# KiCad board audio-latency-tester-board.kicad_pcb
title: Audio latency tester board; date: 2025-04-03; rev: 1.3.2
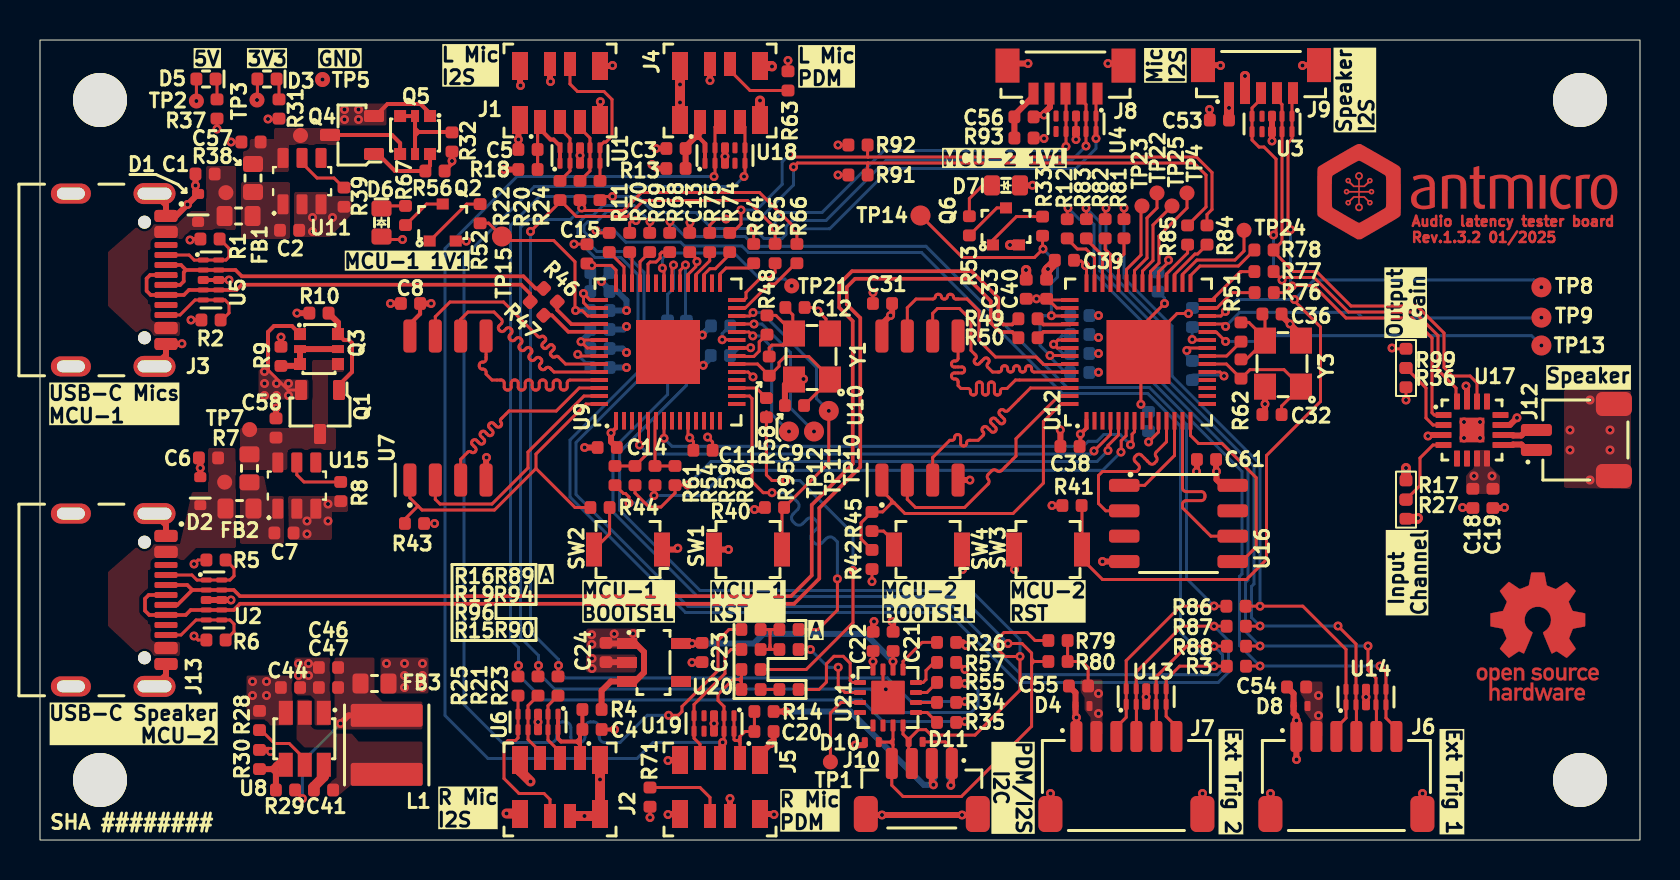
[diagram p0: board, top side]
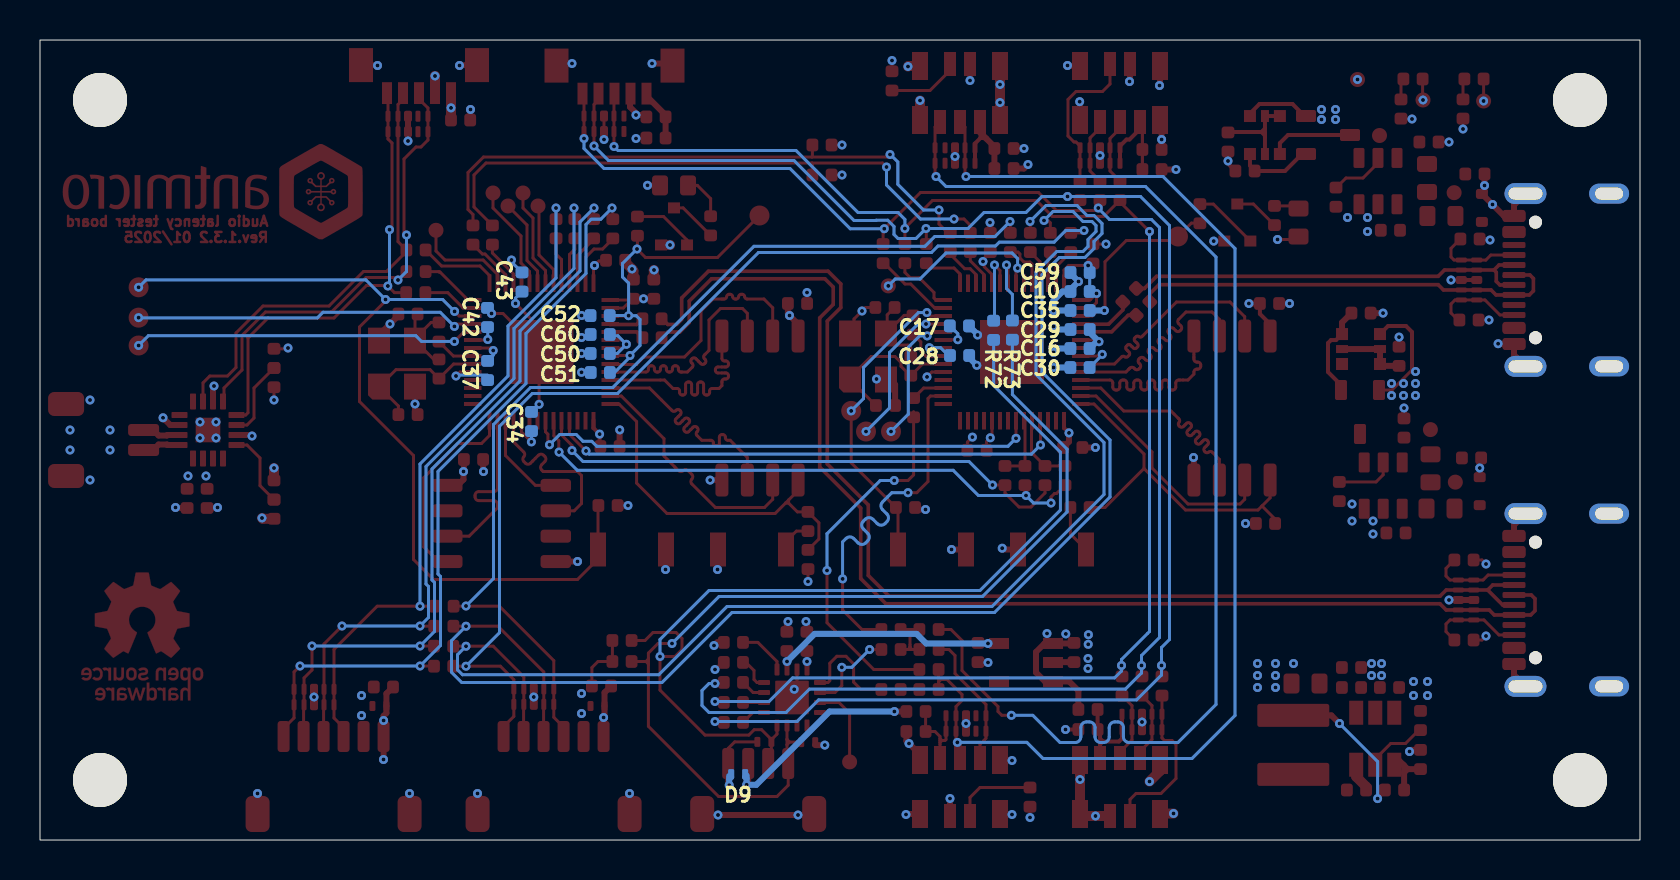
[diagram p1: board, bottom side, seen from below]

Outline 80 x 40 mm; copper layers: Top, In1.Cu, In2.Cu, Bottom. Coordinates in mm from the lower left corner of the outline.
Outline path: rectangle 0,40 80,0
Stack: Top 0.035mm / dielectric 0.12mm FR4 er 4.5 / In1.Cu 0.035mm / dielectric 1.2mm FR4 er 4.5 / In2.Cu 0.035mm / dielectric 0.12mm FR4 er 4.5 / Bottom 0.035mm

## Placement (name value [footprint] x y rotation side)
C1  C_10n_0402  [C_0402_1005Metric]  8.25 33.3 0 top
C2  C_100n_0402  [C_0402_1005Metric]  12.48 30.49 180 top
C3  C_100n_0402  [C_0402_1005Metric]  31.8 34.58 0 top
C4  C_100n_0402  [C_0402_1005Metric]  27.6 5.53 180 top
C5  C_100n_0402  [C_0402_1005Metric]  24.4 34.53 0 top
C6  C_10n_0402  [C_0402_1005Metric]  8.42 19.1 0 top
C7  C_100n_0402  [C_0402_1005Metric]  12.2 15.35 180 top
C8  C_100n_0402  [C_0402_1005Metric]  18.53 26.83 0 top
C9  C_18p_0402  [C_0402_1005Metric]  37.72 21.72 0 top
C10  C_1u_0402  [C_0402_1005Metric]  28 27.42 180 bottom
C11  C_100n_16V_X7R_0402  [C_0402_1005Metric]  33.15 19.48 180 top
C12  C_18p_0402  [C_0402_1005Metric]  37.75 26.62 180 top
C13  C_100n_16V_X7R_0402  [C_0402_1005Metric]  32.49 29.88 270 top
C14  C_100n_16V_X7R_0402  [C_0402_1005Metric]  28.36 19.62 0 top
C15  C_100n_16V_X7R_0402  [C_0402_1005Metric]  27.35 29.31 270 top
C16  C_100n_16V_X7R_0402  [C_0402_1005Metric]  28 24.58 180 bottom
C17  C_100n_16V_X7R_0402  [C_0402_1005Metric]  34.03 25.7 0 bottom
C18  C_100n_0402  [C_0402_1005Metric]  71.65 17.08 90 top
C19  C_10u_10V_0402  [C_0402_1005Metric]  72.65 17.08 90 top
C20  C_100n_0402  [C_0402_1005Metric]  36.2 5.43 180 top
C21  C_100n_16V_X7R_0402  [C_0402_1005Metric]  42.66 9.93 270 top
C22  C_100n_16V_X7R_0402  [C_0402_1005Metric]  41.66 9.93 270 top
C23  C_100n_16V_X7R_0402  [C_0402_1005Metric]  33.1 9.38 90 top
C24  C_100n_16V_X7R_0402  [C_0402_1005Metric]  28.3 9.38 90 top
C28  C_100n_16V_X7R_0402  [C_0402_1005Metric]  34.02 24.22 0 bottom
C29  C_100n_16V_X7R_0402  [C_0402_1005Metric]  28 25.53 180 bottom
C30  C_100n_16V_X7R_0402  [C_0402_1005Metric]  28 23.62 180 bottom
C31  C_100n_0402  [C_0402_1005Metric]  42.12 26.83 0 top
C32  C_18p_0402  [C_0402_1005Metric]  61.6 21.27 0 top
C33  C_1u_0402  [C_0402_1005Metric]  49.31 27.54 270 top
C34  C_100n_16V_X7R_0402  [C_0402_1005Metric]  55.43 20.92 270 bottom
C35  C_1u_0402  [C_0402_1005Metric]  28 26.47 180 bottom
C36  C_18p_0402  [C_0402_1005Metric]  61.6 26.3 180 top
C37  C_100n_16V_X7R_0402  [C_0402_1005Metric]  57.62 23.47 90 bottom
C38  C_100n_16V_X7R_0402  [C_0402_1005Metric]  51.5 19.67 0 top
C39  C_100n_16V_X7R_0402  [C_0402_1005Metric]  51.22 28.98 0 top
C40  C_100n_16V_X7R_0402  [C_0402_1005Metric]  50.33 27.54 270 top
C41  C_100n_0402  [C_0402_1005Metric]  14.17 2.5 0 top
C42  C_100n_16V_X7R_0402  [C_0402_1005Metric]  57.62 26.12 270 bottom
C43  C_100n_16V_X7R_0402  [C_0402_1005Metric]  55.9 27.9 90 bottom
C44  C_10u_10V_0402  [C_0402_1005Metric]  12.53 7.62 180 top
C46  C_22u_0402  [C_0402_1005Metric]  14.42 8.62 0 top
C47  C_22u_0402  [C_0402_1005Metric]  14.42 7.62 0 top
C50  C_100n_16V_X7R_0402  [C_0402_1005Metric]  51.99 24.33 180 bottom
C51  C_100n_16V_X7R_0402  [C_0402_1005Metric]  51.99 23.38 180 bottom
C52  C_1u_0402  [C_0402_1005Metric]  52 26.22 180 bottom
C53  C_100n_0402  [C_0402_1005Metric]  58.97 36 0 top
C54  C_100n_0402  [C_0402_1005Metric]  62.83 7.65 0 top
C55  C_100n_0402  [C_0402_1005Metric]  51.93 7.7 0 top
C56  C_100n_0402  [C_0402_1005Metric]  49.2 36.16 180 top
C57  C_10u_10V_0402  [C_0402_1005Metric]  10.55 34.9 0 top
C58  C_10u_10V_0402  [C_0402_1005Metric]  11.8 20.6 270 top
C59  C_100n_16V_X7R_0402  [C_0402_1005Metric]  28 28.38 180 bottom
C60  C_100n_16V_X7R_0402  [C_0402_1005Metric]  51.99 25.28 180 bottom
C61  C_100n_16V_X7R_0402  [C_0402_1005Metric]  58.32 19.03 0 top
D1  PESD5V0X1UB  [SOD-523]  7.9 31.61 90 top
D2  PESD5V0X1UB  [SOD-523]  8.01 17.44 90 top
D3  LED_G_0402_VLMTG1500-GS08  [LED_0402_1005Metric_G]  11.35 38.05 180 top
D4  TPD1E0B04_XDFN-2  [XDFN-2_1x0.60mm]  52.12 6.7 0 top
D5  LED_G_0402_VLMTG1500-GS08  [LED_0402_1005Metric_G]  8.3 38.05 180 top
D6  LED_G_0603_KP-1608CGCK  [LED_0603_1608Metric_G]  17.08 30.88 270 top
D7  LED_G_0603_KP-1608CGCK  [LED_0603_1608Metric_G]  48.3 32.73 0 top
D8  TPD1E0B04_XDFN-2  [XDFN-2_1x0.60mm]  63.03 6.7 0 top
D9  TPD1E0B04_XDFN-2  [XDFN-2_1x0.60mm]  45.09 3.29 180 bottom
D10  TPD1E0B04_XDFN-2  [XDFN-2_1x0.60mm]  41.59 4.9 0 top
D11  TPD1E0B04_XDFN-2  [XDFN-2_1x0.60mm]  43.78 4.91 180 top
FB1  FB_120Z_2A_Murata-BLM18PG_0603  [FB_0603_1608Metric]  9.93 31.2 0 top
FB2  FB_120Z_2A_Murata-BLM18PG_0603  [FB_0603_1608Metric]  9.97 16.57 0 top
FB3  FB_120Z_2A_Murata-BLM18PG_0603  [FB_0603_1608Metric]  16.72 7.82 0 top
J1  -  [Conn_FFC_Molex_5019510550]  26 37.47 90 top
J2  -  [Conn_FFC_Molex_5019510550]  26 2.53 270 top
J3  USB-C_GCT_USB4105-GF-A  [USB-C_Receptacle_GCT_USB4105-GF-A]  2.8 28 270 top
J4  -  [Conn_FFC_Molex_5019510550]  34 37.47 90 top
J5  -  [Conn_FFC_Molex_5019510550]  34 2.53 270 top
J6  JST_SH_1x6_SM06B-SRSS-TB-LF-SN  [Conn_JST_SH_1x6_SM06B-SRSS-TB-LF-SN]  65.32 3.07 0 top
J7  JST_SH_1x6_SM06B-SRSS-TB-LF-SN  [Conn_JST_SH_1x6_SM06B-SRSS-TB-LF-SN]  54.32 3.07 0 top
J8  JST_SUR_1x5_BM05B-SURS-TB-LF-SN  [Conn_JST_SUR_1x5_BM05B-SURS-TF-LF-SN]  51.27 38.28 90 top
J9  JST_SUR_1x5_BM05B-SURS-TB-LF-SN  [Conn_JST_SUR_1x5_BM05B-SURS-TF-LF-SN]  61.05 38.3 90 top
J10  JST_SH_1x4_BM04B-SRSS-TB-LF-SN  [Conn_JST_SH_1x4_BM04B-SRSS-TB-LF-SN]  44.09 2.38 270 top
J12  JST_SH_1x2_SM02B-SRSS-TB-LF-SN  [Conn_JST_SH_1x2_SM02B-SRSS-TB-LF-SN]  76.79 20 90 top
J13  USB-C_GCT_USB4105-GF-A  [USB-C_Receptacle_GCT_USB4105-GF-A]  2.8 12 270 top
L1  L_2u2_3.1A_Vishay-IFSC-1515AH-01  [L_Vishay-IFSC-1515AH]  17.33 4.75 90 top
MP1  -  [MP_NPTH_Drill2.7mm]  3 3 0 top
MP2  -  [MP_NPTH_Drill2.7mm]  77 3 0 top
MP3  -  [MP_NPTH_Drill2.7mm]  77 37 0 top
MP4  -  [MP_NPTH_Drill2.7mm]  3 37 0 top
Q1  SSM3J332R  [SOT-23-3]  14 21.4 270 top
Q2  BC817-25W  [SOT-323]  20.14 30.88 90 top
Q3  BCM857BS-7-F  [SOT-363]  13.95 24.55 0 top
Q4  SSM3J332R  [SOT-23-3]  15.6 35.25 180 top
Q5  BCM857BS-7-F  [SOT-363]  18.75 35.25 270 top
Q6  BC817-25W  [SOT-323]  48.3 30.68 90 top
R1  R_5k1_0402  [R_0402_1005Metric]  8.5 30.05 180 top
R2  R_5k1_0402  [R_0402_1005Metric]  8.55 26 180 top
R3  R_0R_0402  [R_0402_1005Metric]  59.82 8.69 180 top
R4  R_0R_0402  [R_0402_1005Metric]  27.6 6.53 0 top
R5  R_5k1_0402  [R_0402_1005Metric]  8.8 14 180 top
R6  R_5k1_0402  [R_0402_1005Metric]  8.8 10 180 top
R7  R_0R_22.4A_0603  [R_0603_1608Metric]  10.47 18.58 90 top  (not fitted)
R8  R_20k_0402  [R_0402_1005Metric]  15.03 17.42 90 top
R9  R_10k_0402  [R_0402_1005Metric]  12.05 24.18 270 top
R10  R_10k_0402  [R_0402_1005Metric]  13.95 26.34 0 top
R11  R_0R_0402  [R_0402_1005Metric]  28.46 29.88 90 top
R12  R_0R_0402  [R_0402_1005Metric]  51.36 30.56 90 top
R13  R_0R_0402  [R_0402_1005Metric]  31.8 33.58 180 top
R14  R_0R_0402  [R_0402_1005Metric]  36.2 6.43 0 top
R15  R_0R_0402  [R_0402_1005Metric]  35.55 7.53 180 top  (not fitted)
R16  R_0R_0402  [R_0402_1005Metric]  35.55 10.53 0 top
R17  R_0R_0402  [R_0402_1005Metric]  68.3 17.5 270 top  (not fitted)
R18  R_0R_0402  [R_0402_1005Metric]  24.4 33.53 180 top
R19  R_0R_0402  [R_0402_1005Metric]  35.55 9.53 0 top
R20  R_0R_0402  [R_0402_1005Metric]  27 32.47 270 top
R21  R_0R_0402  [R_0402_1005Metric]  24.9 7.7 90 top
R22  R_0R_0402  [R_0402_1005Metric]  26 32.47 270 top
R23  R_0R_0402  [R_0402_1005Metric]  25.9 7.7 90 top
R24  R_0R_0402  [R_0402_1005Metric]  28 32.47 270 top
R25  R_0R_0402  [R_0402_1005Metric]  23.9 7.7 90 top
R26  R_1k_0402  [R_0402_1005Metric]  45.33 9.88 0 top
R27  R_1M_0402  [R_0402_1005Metric]  68.3 16.54 270 top
R28  R_0R_0402  [R_0402_1005Metric]  10.97 5.97 270 top
R29  R_3k16_0402  [R_0402_1005Metric]  12.28 2.5 0 top
R30  R_1k_0402  [R_0402_1005Metric]  10.97 4.03 270 top
R31  R_220R_0402  [R_0402_1005Metric]  11.95 36.55 90 top
R32  R_10k_0402  [R_0402_1005Metric]  20.6 34.9 90 top
R33  R_1k_0402  [R_0402_1005Metric]  50.13 30.69 90 top
R34  R_0R_0402  [R_0402_1005Metric]  45.33 6.88 0 top
R35  R_0R_0402  [R_0402_1005Metric]  45.33 5.88 0 top
R36  R_0R_0402  [R_0402_1005Metric]  68.3 23.12 90 top  (not fitted)
R37  R_1k_0402  [R_0402_1005Metric]  8.85 36.55 270 top
R38  R_0R_22.4A_0603  [R_0603_1608Metric]  10.65 33.1 90 top  (not fitted)
R39  R_20k_0402  [R_0402_1005Metric]  15.2 32.14 90 top
R40  R_10k_0402  [R_0402_1005Metric]  36.72 16.62 0 top
R41  R_10k_0402  [R_0402_1005Metric]  51.6 16.72 0 top
R42  R_10k_0402  [R_0402_1005Metric]  41.6 14.03 90 top  (not fitted)
R43  R_10k_0402  [R_0402_1005Metric]  18.72 15.83 180 top  (not fitted)
R44  R_1k_0402  [R_0402_1005Metric]  28 16.62 180 top
R45  R_1k_0402  [R_0402_1005Metric]  41.6 15.92 90 top
R46  R_27R_0402  [R_0402_1005Metric]  25.52 27.24 315 top
R47  R_27R_0402  [R_0402_1005Metric]  24.85 26.58 315 top
R48  R_1k_0402  [R_0402_1005Metric]  36.35 25.75 270 top
R49  R_27R_0402  [R_0402_1005Metric]  49.4 26.06 0 top
R50  R_27R_0402  [R_0402_1005Metric]  49.4 25.11 0 top
R51  R_1k_0402  [R_0402_1005Metric]  60.05 25.4 270 top
R52  R_1k_0402  [R_0402_1005Metric]  22 31.31 90 top
R53  R_270R_0402  [R_0402_1005Metric]  46.47 30.71 90 top
R54  R_0R_0402  [R_0402_1005Metric]  29.75 18.22 270 top  (not fitted)
R55  R_0R_0402  [R_0402_1005Metric]  45.33 7.88 0 top
R56  R_10k_0402  [R_0402_1005Metric]  19.75 33.45 180 top
R57  R_0R_0402  [R_0402_1005Metric]  45.33 8.88 180 top
R58  R_1M_0402  [R_0402_1005Metric]  36.46 23.69 90 top
R59  R_0R_0402  [R_0402_1005Metric]  30.75 18.22 270 top  (not fitted)
R60  R_0R_0402  [R_0402_1005Metric]  31.75 18.22 270 top
R61  R_0R_0402  [R_0402_1005Metric]  28.75 18.22 270 top
R62  R_1M_0402  [R_0402_1005Metric]  60.05 23.55 90 top
R63  R_0R_0402  [R_0402_1005Metric]  37.4 37.95 270 top
R64  R_51R_0402  [R_0402_1005Metric]  35.69 29.32 90 top
R65  R_51R_0402  [R_0402_1005Metric]  36.75 29.32 90 top
R66  R_0R_0402  [R_0402_1005Metric]  37.84 29.32 90 top
R67  R_270R_0402  [R_0402_1005Metric]  18.28 31.22 90 top
R68  R_0R_0402  [R_0402_1005Metric]  31.49 29.88 90 top
R69  R_0R_0402  [R_0402_1005Metric]  30.49 29.88 90 top
R70  R_0R_0402  [R_0402_1005Metric]  29.49 29.88 90 top
R71  R_0R_0402  [R_0402_1005Metric]  30.5 2.15 90 top
R72  R_0R_0402  [R_0402_1005Metric]  32.32 25.48 270 bottom
R73  R_0R_0402  [R_0402_1005Metric]  31.38 25.5 270 bottom
R74  R_0R_0402  [R_0402_1005Metric]  34.49 29.88 90 top
R75  R_0R_0402  [R_0402_1005Metric]  33.49 29.88 90 top
R76  R_0R_0402  [R_0402_1005Metric]  61.21 27.37 0 top
R77  R_51R_0402  [R_0402_1005Metric]  61.2 28.42 0 top
R78  R_51R_0402  [R_0402_1005Metric]  61.2 29.5 0 top
R79  R_2k7_0402  [R_0402_1005Metric]  50.9 9.97 0 top
R80  R_2k7_0402  [R_0402_1005Metric]  50.9 8.93 0 top
R81  R_0R_0402  [R_0402_1005Metric]  54.2 30.56 90 top
R82  R_0R_0402  [R_0402_1005Metric]  53.26 30.56 90 top
R83  R_0R_0402  [R_0402_1005Metric]  52.32 30.56 90 top
R84  R_0R_0402  [R_0402_1005Metric]  58.35 30.25 90 top
R85  R_0R_0402  [R_0402_1005Metric]  57.38 30.25 90 top
R86  R_0R_0402  [R_0402_1005Metric]  59.8 11.69 180 top
R87  R_0R_0402  [R_0402_1005Metric]  59.81 10.69 180 top
R88  R_0R_0402  [R_0402_1005Metric]  59.82 9.69 180 top
R89  R_0R_0402  [R_0402_1005Metric]  37.45 10.53 0 top
R90  R_51R_0402  [R_0402_1005Metric]  37.45 7.53 0 top
R91  R_2k7_0402  [R_0402_1005Metric]  40.9 33.25 180 top
R92  R_2k7_0402  [R_0402_1005Metric]  40.9 34.75 180 top
R93  R_0R_0402  [R_0402_1005Metric]  49.2 35.1 0 top
R94  R_0R_0402  [R_0402_1005Metric]  37.45 9.53 180 top  (not fitted)
R95  R_51R_0402  [R_0402_1005Metric]  36.32 21.61 270 top
R96  R_0R_0402  [R_0402_1005Metric]  35.55 8.53 180 top
R99  R_0R_0402  [R_0402_1005Metric]  68.3 24.08 90 top  (not fitted)
REF**  LOGO  [oshw-logo]  74.89 10.18 0 top
REF**#2  -  [antmicro-logo_scaled_15mm]  71.81 32.34 0 top
SW1  -  [SW_B3U-1000P_SMD]  35.4 14.53 0 top
SW2  -  [SW_B3U-1000P_SMD]  29.4 14.53 180 top
SW3  -  [SW_B3U-1000P_SMD]  50.4 14.53 0 top
SW4  -  [SW_B3U-1000P_SMD]  44.4 14.53 180 top
TP1  TP_0.75mm_SMD  [TP_SMD_0.75mm]  39.52 3.91 0 top
TP2  TP_0.75mm_SMD  [TP_SMD_0.75mm]  7.82 36.95 270 top
TP3  TP_0.75mm_SMD  [TP_SMD_0.75mm]  10.85 37 270 top
TP4  TP_0.75mm_SMD  [TP_SMD_0.75mm]  57.35 32.35 90 top
TP5  TP_0.75mm_SMD  [TP_SMD_0.75mm]  14.12 38.03 90 top
TP6  TP_0.75mm_SMD  [TP_SMD_0.75mm]  13.03 35.22 90 top
TP7  TP_0.75mm_SMD  [TP_SMD_0.75mm]  10.48 20.52 90 top
TP8  TP_1mm_SMD  [TP_SMD_1mm]  75.07 27.64 90 top
TP9  TP_1mm_SMD  [TP_SMD_1mm]  75.07 26.12 90 top
TP10  TP_1mm_SMD  [TP_SMD_1mm]  39.44 21.45 90 top
TP11  TP_1mm_SMD  [TP_SMD_1mm]  38.7 20.42 135 top
TP12  TP_1mm_SMD  [TP_SMD_1mm]  37.45 20.42 135 top
TP13  TP_1mm_SMD  [TP_SMD_1mm]  75.07 24.72 270 top
TP14  TP_1mm_SMD  [TP_SMD_1mm]  44.03 31.22 0 top
TP15  TP_1mm_SMD  [TP_SMD_1mm]  23.1 30.17 90 top
TP16  TP_0.75mm_SMD  [TP_SMD_0.75mm]  9.29 32.37 270 top
TP17  TP_0.75mm_SMD  [TP_SMD_0.75mm]  9.23 17.89 0 top
TP21  TP_0.75mm_SMD  [TP_SMD_0.75mm]  37.59 27.7 90 top
TP22  TP_0.75mm_SMD  [TP_SMD_0.75mm]  55.85 32.35 0 top
TP23  TP_0.75mm_SMD  [TP_SMD_0.75mm]  55.1 31.7 0 top
TP24  TP_0.75mm_SMD  [TP_SMD_0.75mm]  60.2 30.48 270 top
TP25  TP_0.75mm_SMD  [TP_SMD_0.75mm]  56.6 31.7 270 top
U1  TPD4E05U06QDQARQ1  [USON-10_2.5x1mm_P0.5mm]  27 34.22 90 top
U2  TPD4E05U06QDQARQ1  [USON-10_2.5x1mm_P0.5mm]  8.7 12 0 top
U3  TPD4E02B04DQA  [USON-10_2.5x1mm_P0.5mm]  61.6 35.8 270 top
U4  TPD4E02B04DQA  [USON-10_2.5x1mm_P0.5mm]  51.8 35.81 270 top
U5  TPD4E05U06QDQARQ1  [USON-10_2.5x1mm_P0.5mm]  8.55 28 0 top
U6  TPD4E05U06QDQARQ1  [USON-10_2.5x1mm_P0.5mm]  24.9 5.9 270 top
U7  W25Q128JVSIQ_SOIC-8  [SOIC-8_5.3x5.3x2mm_P1.27mm]  20.4 21.6 90 top
U8  AP62301_TSOT  [TSOT23-6]  13.24 5.06 270 top
U9  RP2040  [QFN-56-1EP_7x7mm_P0.4mm_EP3.2x3.2mm]  31.4 24.4 90 top
U10  W25Q128JVSIQ_SOIC-8  [SOIC-8_5.3x5.3x2mm_P1.27mm]  44 21.6 90 top
U11  AP22652W6  [SOT-23-6]  13.1 32.89 0 top
U12  RP2040  [QFN-56-1EP_7x7mm_P0.4mm_EP3.2x3.2mm]  54.93 24.4 90 top
U13  TPD4E05U06QDQARQ1  [USON-10_2.5x1mm_P0.5mm]  55.31 7.17 90 top
U14  TPD4E05U06QDQARQ1  [USON-10_2.5x1mm_P0.5mm]  66.3 7.15 90 top
U15  AP22652W6  [SOT-23-6]  12.84 17.66 0 top
U16  IS66WVS4M8BLL-104NLI  [SOIC-8_3.9x4.9x1.75mm_P1.27mm]  56.93 15.83 0 top
U17  MAX98357A  [TQFN-16-1EP_3x3mm_P0.5mm]  71.6 20.5 0 top
U18  TPD4E05U06QDQARQ1  [USON-10_2.5x1mm_P0.5mm]  34.25 34.22 90 top
U19  TPD4E05U06QDQARQ1  [USON-10_2.5x1mm_P0.5mm]  33.7 5.82 270 top
U20  TLV73318PDBVT  [SOT-23-5]  30.7 8.88 0 top
U21  ADAU7118ACPZRL  [VQFN-16-1EP_3x3mm_P0.5mm_EP1.68x1.68mm]  42.4 7.12 0 top
Y1  Resonator_12MHz_ABM8G  [Resonator_SMD_Abracon_ABM8G_3.2x2.5mm]  38.55 24.13 90 top
Y3  Resonator_12MHz_ABM8G  [Resonator_SMD_Abracon_ABM8G_3.2x2.5mm]  62.1 23.77 90 top

## Library data of the parts
C1 = -: Datasheet: https://www.murata.com/products/productdetail?partno=GRM155R71H103KA88%23; Description: SMD Multilayer Ceramic Capacitor, 10000 pF, 50 V, 0402 [1005 Metric], ± 10%, X7R, GRM Series; MPN: GRM155R71H103KA88D; Manufacturer: Murata; License: Apache-2.0; Author: Antmicro; Val: 10n; Voltage: 50V; Dielectric: X7R; Field11: Author: Antmicro; Field13: License: Apache-2.0
C2 C3 C7 C18 C54 C55 = -: Datasheet: https://www.murata.com/products/productdetail?partno=GRM155R61H104KE14%23; Description: SMD Multilayer Ceramic Capacitor, 0.1 µF, 50 V, 0402 [1005 Metric], ± 10%, X5R, GRM Series; MPN: GRM155R61H104KE14D; Manufacturer: Murata; License: Apache-2.0; Author: Antmicro; Val: 100n; Voltage: 50V; Dielectric: X5R; Field11: License: Apache-2.0; Field12: Author: Antmicro
C4 C20 C53 = -: Datasheet: https://www.murata.com/products/productdetail?partno=GRM155R61H104KE14%23; Description: SMD Multilayer Ceramic Capacitor, 0.1 µF, 50 V, 0402 [1005 Metric], ± 10%, X5R, GRM Series; MPN: GRM155R61H104KE14D; Manufacturer: Murata; License: Apache-2.0; Author: Antmicro; Val: 100n; Voltage: 50V; Dielectric: X5R; Field11: License: Apache-2.0; Field13: Author: Antmicro
C5 C41 = -: Datasheet: https://www.murata.com/products/productdetail?partno=GRM155R61H104KE14%23; Description: SMD Multilayer Ceramic Capacitor, 0.1 µF, 50 V, 0402 [1005 Metric], ± 10%, X5R, GRM Series; MPN: GRM155R61H104KE14D; Manufacturer: Murata; License: Apache-2.0; Author: Antmicro; Val: 100n; Voltage: 50V; Dielectric: X5R; Field11: Author: Antmicro; Field13: License: Apache-2.0
C6 = -: Datasheet: https://www.murata.com/products/productdetail?partno=GRM155R71H103KA88%23; Description: SMD Multilayer Ceramic Capacitor, 10000 pF, 50 V, 0402 [1005 Metric], ± 10%, X7R, GRM Series; MPN: GRM155R71H103KA88D; Manufacturer: Murata; License: Apache-2.0; Author: Antmicro; Val: 10n; Voltage: 50V; Dielectric: X7R; Field11: License: Apache-2.0; Field12: Author: Antmicro
C8 C56 = -: Datasheet: https://www.murata.com/products/productdetail?partno=GRM155R61H104KE14%23; Description: SMD Multilayer Ceramic Capacitor, 0.1 µF, 50 V, 0402 [1005 Metric], ± 10%, X5R, GRM Series; MPN: GRM155R61H104KE14D; Manufacturer: Murata; License: Apache-2.0; Author: Antmicro; Val: 100n; Voltage: 50V; Dielectric: X5R; Field11: Author: Antmicro; Field12: License: Apache-2.0
C9 C12 C32 C36 = -: Datasheet: https://product.samsungsem.com/mlcc/CL05C180JB51PN.do; Description: SMD Multilayer Ceramic Capacitor, 18 pF, 50 V, 0402 [1005 Metric], ± 5%, C0G / NP0, MC; MPN: CL05C180JB51PNC; Manufacturer: Samsung Electro-Mechanics; License: Apache-2.0; Author: Antmicro; Val: 18p; Field11: Author: Antmicro; Field13: License: Apache-2.0
C10 = -: Datasheet: https://product.tdk.com/en/search/capacitor/ceramic/mlcc/info?part_no=C1005X6S1A105K050BC; Description: SMD Multilayer Ceramic Capacitor, 1 µF, 10 V, 0402 [1005 Metric], ± 10%, X6S, C; MPN: C1005X6S1A105K050BC; Manufacturer: TDK; License: Apache-2.0; Author: Antmicro; Val: 1u; Field11: Author: Antmicro; Field12: License: Apache-2.0
C11 C34 = -: Datasheet: https://www.kemet.com/en/us/capacitors/product/C0402C104J4RAC7411.html; Description: SMD Multilayer Ceramic Capacitor, 100nF, 50V, 0402, ±5%, X7R; MPN: C0402C104J4RAC7411; Val: 100n; Voltage: 16V; Dielectric: X7R; Manufacturer: KEMET; License: Apache-2.0; Author: Antmicro; Field11: License: Apache-2.0; Field13: Author: Antmicro
C13 C15 C23 C29 C30 C37 C40 C42 C43 = -: Datasheet: https://www.kemet.com/en/us/capacitors/product/C0402C104J4RAC7411.html; Description: SMD Multilayer Ceramic Capacitor, 100nF, 50V, 0402, ±5%, X7R; MPN: C0402C104J4RAC7411; Val: 100n; Voltage: 16V; Dielectric: X7R; Manufacturer: KEMET; License: Apache-2.0; Author: Antmicro; Field12: License: Apache-2.0; Field13: Author: Antmicro
C14 C16 C17 C60 = -: Datasheet: https://www.kemet.com/en/us/capacitors/product/C0402C104J4RAC7411.html; Description: SMD Multilayer Ceramic Capacitor, 100nF, 50V, 0402, ±5%, X7R; MPN: C0402C104J4RAC7411; Val: 100n; Voltage: 16V; Dielectric: X7R; Manufacturer: KEMET; License: Apache-2.0; Author: Antmicro; Field11: Author: Antmicro; Field12: License: Apache-2.0
C19 C58 = -: Datasheet: https://www.murata.com/products/productdetail?partno=GRM155R61A106ME11%23; Description: Multilayer Ceramic Capacitors MLCC - SMD/SMT 10 uF 10 VDC 20% 0402 X5R; MPN: GRM155R61A106ME11D; Manufacturer: Murata; License: Apache-2.0; Author: Antmicro; Val: 10u; Voltage: 10V; Dielectric: X5R; Field12: License: Apache-2.0; Field13: Author: Antmicro
C21 C38 C39 C59 C61 = -: Datasheet: https://www.kemet.com/en/us/capacitors/product/C0402C104J4RAC7411.html; Description: SMD Multilayer Ceramic Capacitor, 100nF, 50V, 0402, ±5%, X7R; MPN: C0402C104J4RAC7411; Val: 100n; Voltage: 16V; Dielectric: X7R; Manufacturer: KEMET; License: Apache-2.0; Author: Antmicro; Field11: License: Apache-2.0; Field12: Author: Antmicro
C22 C50 = -: Datasheet: https://www.kemet.com/en/us/capacitors/product/C0402C104J4RAC7411.html; Description: SMD Multilayer Ceramic Capacitor, 100nF, 50V, 0402, ±5%, X7R; MPN: C0402C104J4RAC7411; Val: 100n; Voltage: 16V; Dielectric: X7R; Manufacturer: KEMET; License: Apache-2.0; Author: Antmicro; Field11: Author: Antmicro; Field13: License: Apache-2.0
C24 C28 C51 = -: Datasheet: https://www.kemet.com/en/us/capacitors/product/C0402C104J4RAC7411.html; Description: SMD Multilayer Ceramic Capacitor, 100nF, 50V, 0402, ±5%, X7R; MPN: C0402C104J4RAC7411; Val: 100n; Voltage: 16V; Dielectric: X7R; Manufacturer: KEMET; License: Apache-2.0; Author: Antmicro; Field12: Author: Antmicro; Field13: License: Apache-2.0
C31 = -: Datasheet: https://www.murata.com/products/productdetail?partno=GRM155R61H104KE14%23; Description: SMD Multilayer Ceramic Capacitor, 0.1 µF, 50 V, 0402 [1005 Metric], ± 10%, X5R, GRM Series; MPN: GRM155R61H104KE14D; Manufacturer: Murata; License: Apache-2.0; Author: Antmicro; Val: 100n; Voltage: 50V; Dielectric: X5R; Field12: License: Apache-2.0; Field13: Author: Antmicro
C33 C35 = -: Datasheet: https://product.tdk.com/en/search/capacitor/ceramic/mlcc/info?part_no=C1005X6S1A105K050BC; Description: SMD Multilayer Ceramic Capacitor, 1 µF, 10 V, 0402 [1005 Metric], ± 10%, X6S, C; MPN: C1005X6S1A105K050BC; Manufacturer: TDK; License: Apache-2.0; Author: Antmicro; Val: 1u; Field11: Author: Antmicro; Field13: License: Apache-2.0
C44 C57 = -: Datasheet: https://www.murata.com/products/productdetail?partno=GRM155R61A106ME11%23; Description: Multilayer Ceramic Capacitors MLCC - SMD/SMT 10 uF 10 VDC 20% 0402 X5R; MPN: GRM155R61A106ME11D; Manufacturer: Murata; License: Apache-2.0; Author: Antmicro; Val: 10u; Voltage: 10V; Dielectric: X5R; Field11: License: Apache-2.0; Field12: Author: Antmicro
C46 = -: Datasheet: https://www.murata.com/products/productdetail?partno=GRM158R60J226ME01%23; Description: SMD Multilayer Ceramic Capacitor, 22 uF, 4 V, 0402 [1005 Metric], X6S; MPN: GRM158R60J226ME01D; Manufacturer: Murata; License: Apache-2.0; Author: Antmicro; Val: 22u; Field12: License: Apache-2.0; Field13: Author: Antmicro